# KiCad board fs_resistor_0805_panel.kicad_pcb (continued)
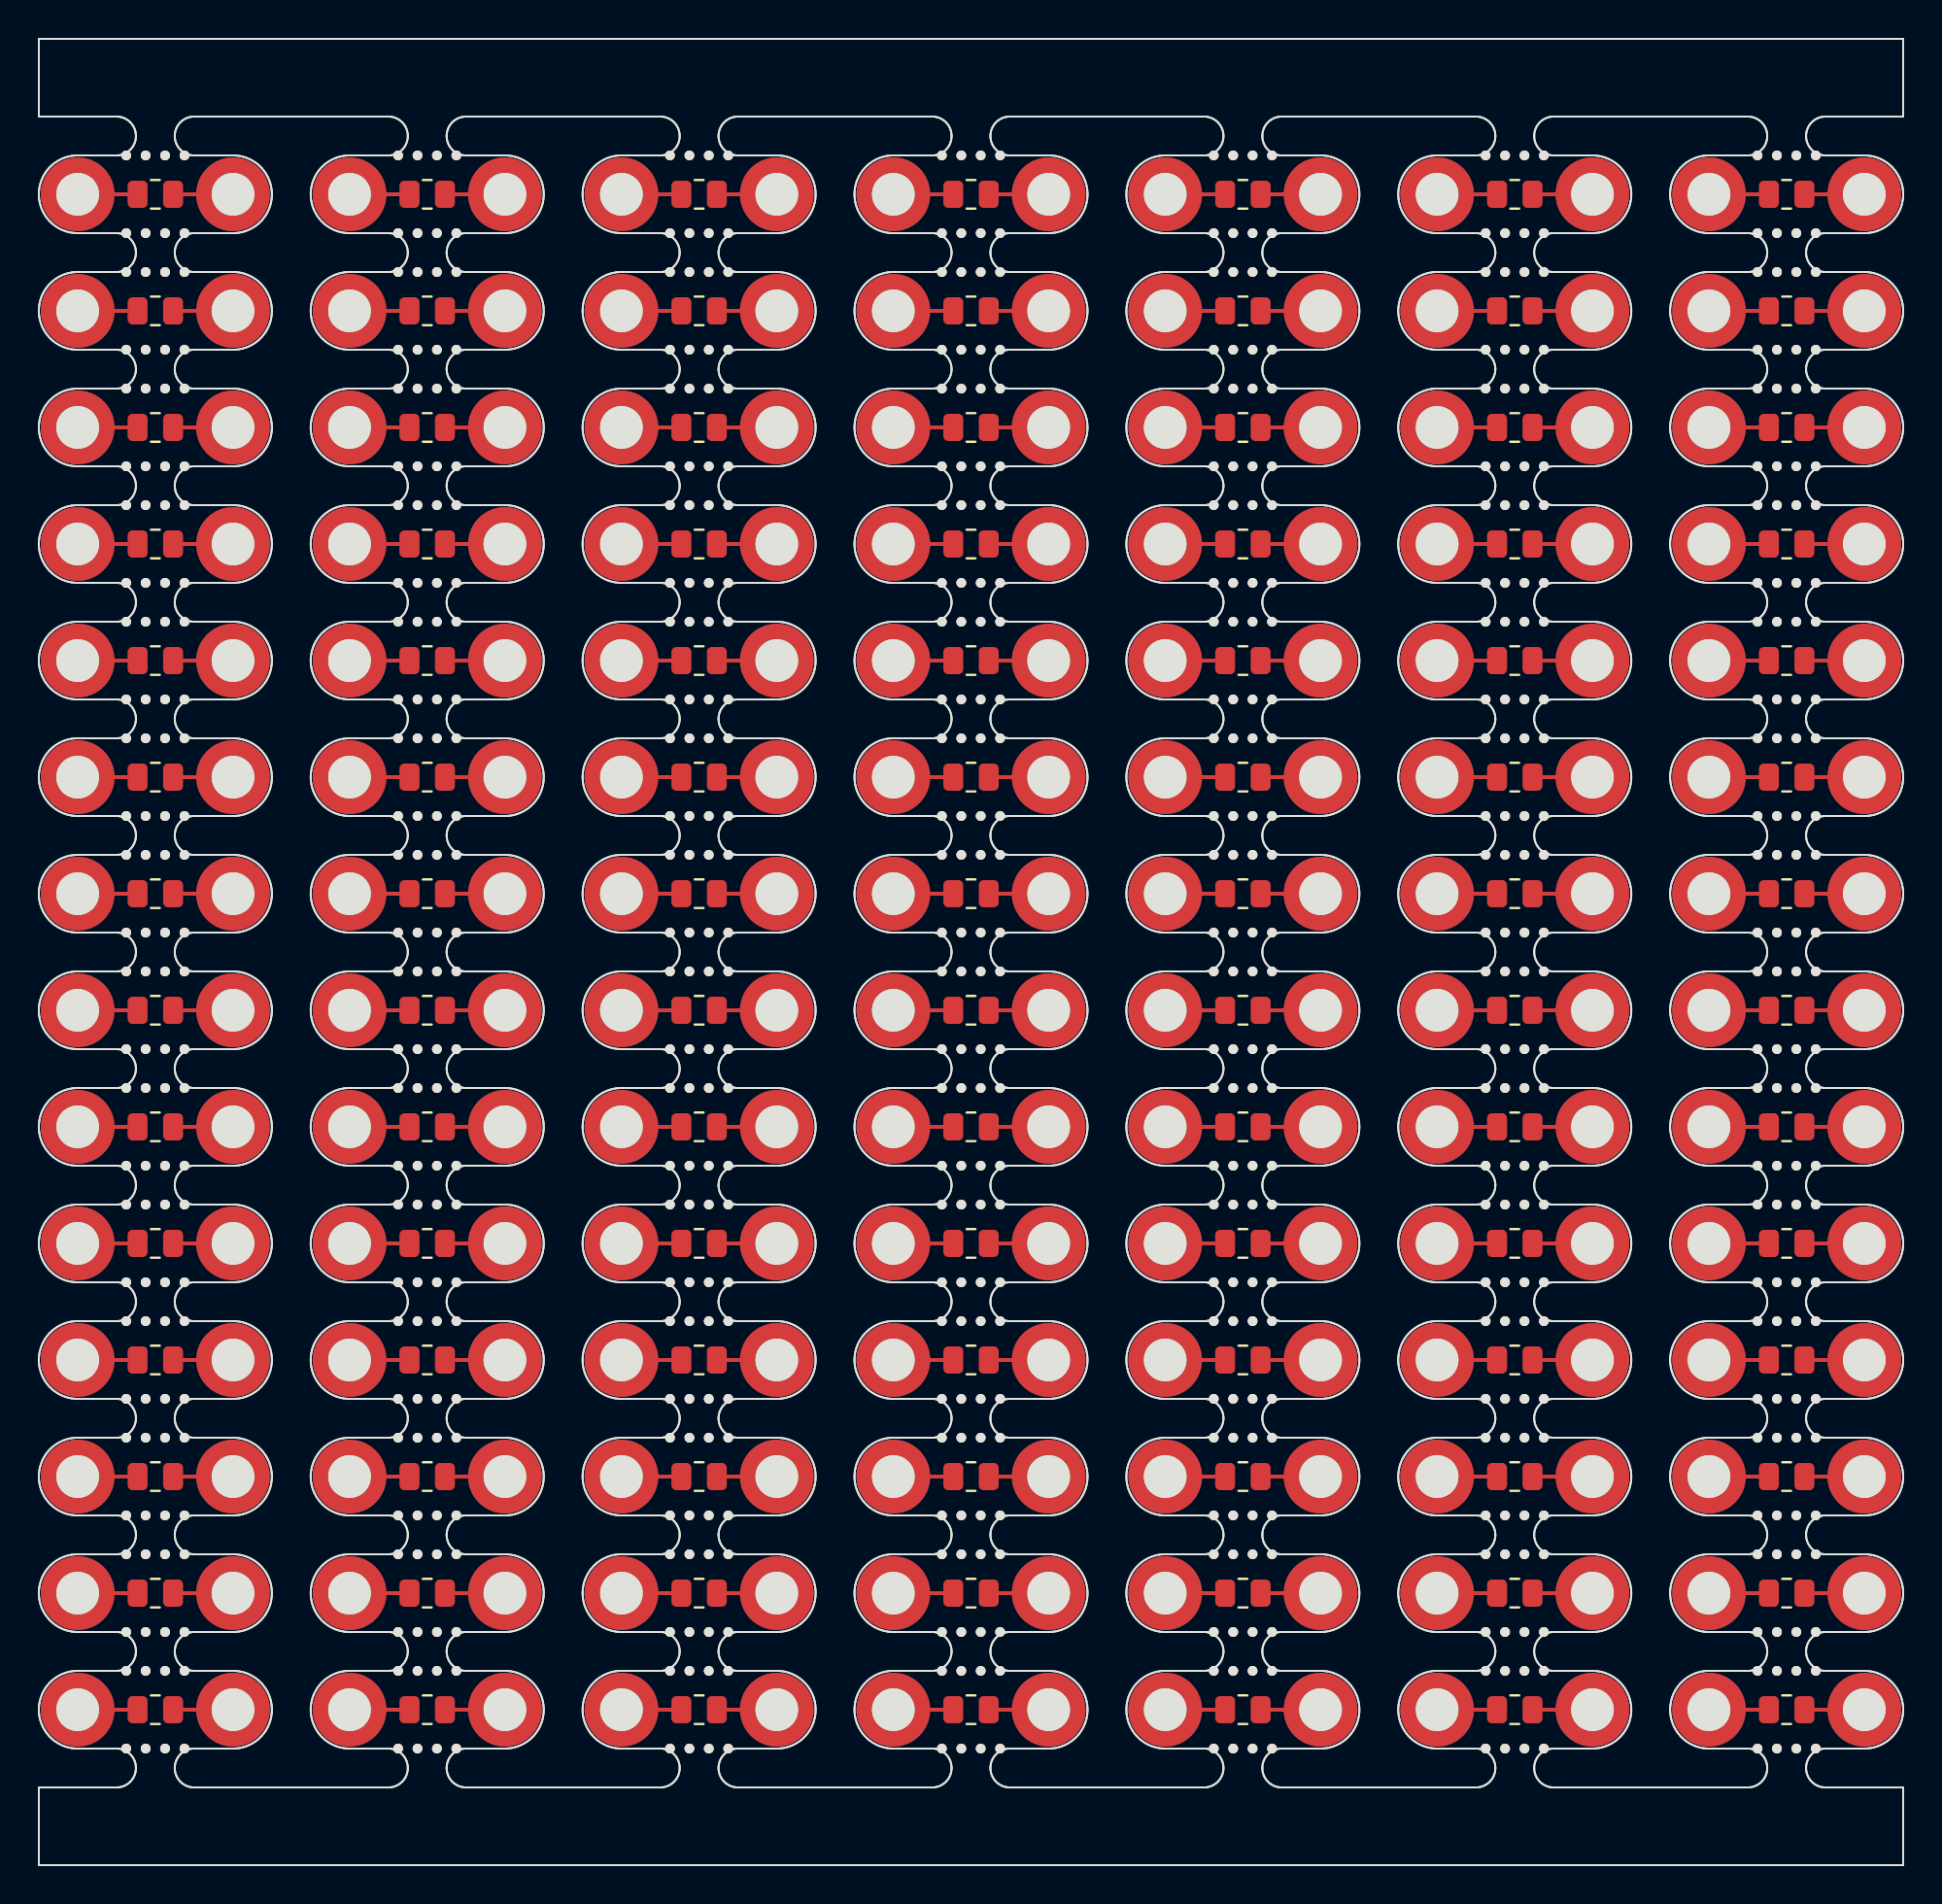
[diagram p0: board, top side]
## Placement (name value [footprint] x y rotation side) (continued)
KiKit_MB_26_1  -  [NPTH]  77.5 78 0 top
KiKit_MB_26_2  -  [NPTH]  76.5 78 0 top
KiKit_MB_26_3  -  [NPTH]  75.5 78 0 top
KiKit_MB_26_4  -  [NPTH]  74.5 78 0 top
KiKit_MB_27_1  -  [NPTH]  88.5 82 0 top
KiKit_MB_27_2  -  [NPTH]  89.5 82 0 top
KiKit_MB_27_3  -  [NPTH]  90.5 82 0 top
KiKit_MB_27_4  -  [NPTH]  91.5 82 0 top
KiKit_MB_28_1  -  [NPTH]  91.5 78 0 top
KiKit_MB_28_2  -  [NPTH]  90.5 78 0 top
KiKit_MB_28_3  -  [NPTH]  89.5 78 0 top
KiKit_MB_28_4  -  [NPTH]  88.5 78 0 top
KiKit_MB_29_1  -  [NPTH]  4.5 76 0 top
KiKit_MB_29_2  -  [NPTH]  5.5 76 0 top
KiKit_MB_29_3  -  [NPTH]  6.5 76 0 top
KiKit_MB_29_4  -  [NPTH]  7.5 76 0 top
KiKit_MB_30_1  -  [NPTH]  7.5 72 0 top
KiKit_MB_30_2  -  [NPTH]  6.5 72 0 top
KiKit_MB_30_3  -  [NPTH]  5.5 72 0 top
KiKit_MB_30_4  -  [NPTH]  4.5 72 0 top
KiKit_MB_31_1  -  [NPTH]  18.5 76 0 top
KiKit_MB_31_2  -  [NPTH]  19.5 76 0 top
KiKit_MB_31_3  -  [NPTH]  20.5 76 0 top
KiKit_MB_31_4  -  [NPTH]  21.5 76 0 top
KiKit_MB_32_1  -  [NPTH]  21.5 72 0 top
KiKit_MB_32_2  -  [NPTH]  20.5 72 0 top
KiKit_MB_32_3  -  [NPTH]  19.5 72 0 top
KiKit_MB_32_4  -  [NPTH]  18.5 72 0 top
KiKit_MB_33_1  -  [NPTH]  32.5 76 0 top
KiKit_MB_33_2  -  [NPTH]  33.5 76 0 top
KiKit_MB_33_3  -  [NPTH]  34.5 76 0 top
KiKit_MB_33_4  -  [NPTH]  35.5 76 0 top
KiKit_MB_34_1  -  [NPTH]  35.5 72 0 top
KiKit_MB_34_2  -  [NPTH]  34.5 72 0 top
KiKit_MB_34_3  -  [NPTH]  33.5 72 0 top
KiKit_MB_34_4  -  [NPTH]  32.5 72 0 top
KiKit_MB_35_1  -  [NPTH]  46.5 76 0 top
KiKit_MB_35_2  -  [NPTH]  47.5 76 0 top
KiKit_MB_35_3  -  [NPTH]  48.5 76 0 top
KiKit_MB_35_4  -  [NPTH]  49.5 76 0 top
KiKit_MB_36_1  -  [NPTH]  49.5 72 0 top
KiKit_MB_36_2  -  [NPTH]  48.5 72 0 top
KiKit_MB_36_3  -  [NPTH]  47.5 72 0 top
KiKit_MB_36_4  -  [NPTH]  46.5 72 0 top
KiKit_MB_37_1  -  [NPTH]  60.5 76 0 top
KiKit_MB_37_2  -  [NPTH]  61.5 76 0 top
KiKit_MB_37_3  -  [NPTH]  62.5 76 0 top
KiKit_MB_37_4  -  [NPTH]  63.5 76 0 top
KiKit_MB_38_1  -  [NPTH]  63.5 72 0 top
KiKit_MB_38_2  -  [NPTH]  62.5 72 0 top
KiKit_MB_38_3  -  [NPTH]  61.5 72 0 top
KiKit_MB_38_4  -  [NPTH]  60.5 72 0 top
KiKit_MB_39_1  -  [NPTH]  74.5 76 0 top
KiKit_MB_39_2  -  [NPTH]  75.5 76 0 top
KiKit_MB_39_3  -  [NPTH]  76.5 76 0 top
KiKit_MB_39_4  -  [NPTH]  77.5 76 0 top
KiKit_MB_40_1  -  [NPTH]  77.5 72 0 top
KiKit_MB_40_2  -  [NPTH]  76.5 72 0 top
KiKit_MB_40_3  -  [NPTH]  75.5 72 0 top
KiKit_MB_40_4  -  [NPTH]  74.5 72 0 top
KiKit_MB_41_1  -  [NPTH]  88.5 76 0 top
KiKit_MB_41_2  -  [NPTH]  89.5 76 0 top
KiKit_MB_41_3  -  [NPTH]  90.5 76 0 top
KiKit_MB_41_4  -  [NPTH]  91.5 76 0 top
KiKit_MB_42_1  -  [NPTH]  91.5 72 0 top
KiKit_MB_42_2  -  [NPTH]  90.5 72 0 top
KiKit_MB_42_3  -  [NPTH]  89.5 72 0 top
KiKit_MB_42_4  -  [NPTH]  88.5 72 0 top
KiKit_MB_43_1  -  [NPTH]  4.5 70 0 top
KiKit_MB_43_2  -  [NPTH]  5.5 70 0 top
KiKit_MB_43_3  -  [NPTH]  6.5 70 0 top
KiKit_MB_43_4  -  [NPTH]  7.5 70 0 top
KiKit_MB_44_1  -  [NPTH]  7.5 66 0 top
KiKit_MB_44_2  -  [NPTH]  6.5 66 0 top
KiKit_MB_44_3  -  [NPTH]  5.5 66 0 top
KiKit_MB_44_4  -  [NPTH]  4.5 66 0 top
KiKit_MB_45_1  -  [NPTH]  18.5 70 0 top
KiKit_MB_45_2  -  [NPTH]  19.5 70 0 top
KiKit_MB_45_3  -  [NPTH]  20.5 70 0 top
KiKit_MB_45_4  -  [NPTH]  21.5 70 0 top
KiKit_MB_46_1  -  [NPTH]  21.5 66 0 top
KiKit_MB_46_2  -  [NPTH]  20.5 66 0 top
KiKit_MB_46_3  -  [NPTH]  19.5 66 0 top
KiKit_MB_46_4  -  [NPTH]  18.5 66 0 top
KiKit_MB_47_1  -  [NPTH]  32.5 70 0 top
KiKit_MB_47_2  -  [NPTH]  33.5 70 0 top
KiKit_MB_47_3  -  [NPTH]  34.5 70 0 top
KiKit_MB_47_4  -  [NPTH]  35.5 70 0 top
KiKit_MB_48_1  -  [NPTH]  35.5 66 0 top
KiKit_MB_48_2  -  [NPTH]  34.5 66 0 top
KiKit_MB_48_3  -  [NPTH]  33.5 66 0 top
KiKit_MB_48_4  -  [NPTH]  32.5 66 0 top
KiKit_MB_49_1  -  [NPTH]  46.5 70 0 top
KiKit_MB_49_2  -  [NPTH]  47.5 70 0 top
KiKit_MB_49_3  -  [NPTH]  48.5 70 0 top
KiKit_MB_49_4  -  [NPTH]  49.5 70 0 top
KiKit_MB_50_1  -  [NPTH]  49.5 66 0 top
KiKit_MB_50_2  -  [NPTH]  48.5 66 0 top
KiKit_MB_50_3  -  [NPTH]  47.5 66 0 top
KiKit_MB_50_4  -  [NPTH]  46.5 66 0 top
KiKit_MB_51_1  -  [NPTH]  60.5 70 0 top
KiKit_MB_51_2  -  [NPTH]  61.5 70 0 top
KiKit_MB_51_3  -  [NPTH]  62.5 70 0 top
KiKit_MB_51_4  -  [NPTH]  63.5 70 0 top
KiKit_MB_52_1  -  [NPTH]  63.5 66 0 top
KiKit_MB_52_2  -  [NPTH]  62.5 66 0 top
KiKit_MB_52_3  -  [NPTH]  61.5 66 0 top
KiKit_MB_52_4  -  [NPTH]  60.5 66 0 top
KiKit_MB_53_1  -  [NPTH]  74.5 70 0 top
KiKit_MB_53_2  -  [NPTH]  75.5 70 0 top
KiKit_MB_53_3  -  [NPTH]  76.5 70 0 top
KiKit_MB_53_4  -  [NPTH]  77.5 70 0 top
KiKit_MB_54_1  -  [NPTH]  77.5 66 0 top
KiKit_MB_54_2  -  [NPTH]  76.5 66 0 top
KiKit_MB_54_3  -  [NPTH]  75.5 66 0 top
KiKit_MB_54_4  -  [NPTH]  74.5 66 0 top
KiKit_MB_55_1  -  [NPTH]  88.5 70 0 top
KiKit_MB_55_2  -  [NPTH]  89.5 70 0 top
KiKit_MB_55_3  -  [NPTH]  90.5 70 0 top
KiKit_MB_55_4  -  [NPTH]  91.5 70 0 top
KiKit_MB_56_1  -  [NPTH]  91.5 66 0 top
KiKit_MB_56_2  -  [NPTH]  90.5 66 0 top
KiKit_MB_56_3  -  [NPTH]  89.5 66 0 top
KiKit_MB_56_4  -  [NPTH]  88.5 66 0 top
KiKit_MB_57_1  -  [NPTH]  4.5 64 0 top
KiKit_MB_57_2  -  [NPTH]  5.5 64 0 top
KiKit_MB_57_3  -  [NPTH]  6.5 64 0 top
KiKit_MB_57_4  -  [NPTH]  7.5 64 0 top
KiKit_MB_58_1  -  [NPTH]  7.5 60 0 top
KiKit_MB_58_2  -  [NPTH]  6.5 60 0 top
KiKit_MB_58_3  -  [NPTH]  5.5 60 0 top
KiKit_MB_58_4  -  [NPTH]  4.5 60 0 top
KiKit_MB_59_1  -  [NPTH]  18.5 64 0 top
KiKit_MB_59_2  -  [NPTH]  19.5 64 0 top
KiKit_MB_59_3  -  [NPTH]  20.5 64 0 top
KiKit_MB_59_4  -  [NPTH]  21.5 64 0 top
KiKit_MB_60_1  -  [NPTH]  21.5 60 0 top
KiKit_MB_60_2  -  [NPTH]  20.5 60 0 top
KiKit_MB_60_3  -  [NPTH]  19.5 60 0 top
KiKit_MB_60_4  -  [NPTH]  18.5 60 0 top
KiKit_MB_61_1  -  [NPTH]  32.5 64 0 top
KiKit_MB_61_2  -  [NPTH]  33.5 64 0 top
KiKit_MB_61_3  -  [NPTH]  34.5 64 0 top
KiKit_MB_61_4  -  [NPTH]  35.5 64 0 top
KiKit_MB_62_1  -  [NPTH]  35.5 60 0 top
KiKit_MB_62_2  -  [NPTH]  34.5 60 0 top
KiKit_MB_62_3  -  [NPTH]  33.5 60 0 top
KiKit_MB_62_4  -  [NPTH]  32.5 60 0 top
KiKit_MB_63_1  -  [NPTH]  46.5 64 0 top
KiKit_MB_63_2  -  [NPTH]  47.5 64 0 top
KiKit_MB_63_3  -  [NPTH]  48.5 64 0 top
KiKit_MB_63_4  -  [NPTH]  49.5 64 0 top
KiKit_MB_64_1  -  [NPTH]  49.5 60 0 top
KiKit_MB_64_2  -  [NPTH]  48.5 60 0 top
KiKit_MB_64_3  -  [NPTH]  47.5 60 0 top
KiKit_MB_64_4  -  [NPTH]  46.5 60 0 top
KiKit_MB_65_1  -  [NPTH]  60.5 64 0 top
KiKit_MB_65_2  -  [NPTH]  61.5 64 0 top
KiKit_MB_65_3  -  [NPTH]  62.5 64 0 top
KiKit_MB_65_4  -  [NPTH]  63.5 64 0 top
KiKit_MB_66_1  -  [NPTH]  63.5 60 0 top
KiKit_MB_66_2  -  [NPTH]  62.5 60 0 top
KiKit_MB_66_3  -  [NPTH]  61.5 60 0 top
KiKit_MB_66_4  -  [NPTH]  60.5 60 0 top
KiKit_MB_67_1  -  [NPTH]  74.5 64 0 top
KiKit_MB_67_2  -  [NPTH]  75.5 64 0 top
KiKit_MB_67_3  -  [NPTH]  76.5 64 0 top
KiKit_MB_67_4  -  [NPTH]  77.5 64 0 top
KiKit_MB_68_1  -  [NPTH]  77.5 60 0 top
KiKit_MB_68_2  -  [NPTH]  76.5 60 0 top
KiKit_MB_68_3  -  [NPTH]  75.5 60 0 top
KiKit_MB_68_4  -  [NPTH]  74.5 60 0 top
KiKit_MB_69_1  -  [NPTH]  88.5 64 0 top
KiKit_MB_69_2  -  [NPTH]  89.5 64 0 top
KiKit_MB_69_3  -  [NPTH]  90.5 64 0 top
KiKit_MB_69_4  -  [NPTH]  91.5 64 0 top
KiKit_MB_70_1  -  [NPTH]  91.5 60 0 top
KiKit_MB_70_2  -  [NPTH]  90.5 60 0 top
KiKit_MB_70_3  -  [NPTH]  89.5 60 0 top
KiKit_MB_70_4  -  [NPTH]  88.5 60 0 top
KiKit_MB_71_1  -  [NPTH]  4.5 58 0 top
KiKit_MB_71_2  -  [NPTH]  5.5 58 0 top
KiKit_MB_71_3  -  [NPTH]  6.5 58 0 top
KiKit_MB_71_4  -  [NPTH]  7.5 58 0 top
KiKit_MB_72_1  -  [NPTH]  7.5 54 0 top
KiKit_MB_72_2  -  [NPTH]  6.5 54 0 top
KiKit_MB_72_3  -  [NPTH]  5.5 54 0 top
KiKit_MB_72_4  -  [NPTH]  4.5 54 0 top
KiKit_MB_73_1  -  [NPTH]  18.5 58 0 top
KiKit_MB_73_2  -  [NPTH]  19.5 58 0 top
KiKit_MB_73_3  -  [NPTH]  20.5 58 0 top
KiKit_MB_73_4  -  [NPTH]  21.5 58 0 top
KiKit_MB_74_1  -  [NPTH]  21.5 54 0 top
KiKit_MB_74_2  -  [NPTH]  20.5 54 0 top
KiKit_MB_74_3  -  [NPTH]  19.5 54 0 top
KiKit_MB_74_4  -  [NPTH]  18.5 54 0 top
KiKit_MB_75_1  -  [NPTH]  32.5 58 0 top
KiKit_MB_75_2  -  [NPTH]  33.5 58 0 top
KiKit_MB_75_3  -  [NPTH]  34.5 58 0 top
KiKit_MB_75_4  -  [NPTH]  35.5 58 0 top
KiKit_MB_76_1  -  [NPTH]  35.5 54 0 top
KiKit_MB_76_2  -  [NPTH]  34.5 54 0 top
KiKit_MB_76_3  -  [NPTH]  33.5 54 0 top
KiKit_MB_76_4  -  [NPTH]  32.5 54 0 top
KiKit_MB_77_1  -  [NPTH]  46.5 58 0 top
KiKit_MB_77_2  -  [NPTH]  47.5 58 0 top
KiKit_MB_77_3  -  [NPTH]  48.5 58 0 top
KiKit_MB_77_4  -  [NPTH]  49.5 58 0 top
KiKit_MB_78_1  -  [NPTH]  49.5 54 0 top
KiKit_MB_78_2  -  [NPTH]  48.5 54 0 top
KiKit_MB_78_3  -  [NPTH]  47.5 54 0 top
KiKit_MB_78_4  -  [NPTH]  46.5 54 0 top
KiKit_MB_79_1  -  [NPTH]  60.5 58 0 top
KiKit_MB_79_2  -  [NPTH]  61.5 58 0 top
KiKit_MB_79_3  -  [NPTH]  62.5 58 0 top
KiKit_MB_79_4  -  [NPTH]  63.5 58 0 top
KiKit_MB_80_1  -  [NPTH]  63.5 54 0 top
KiKit_MB_80_2  -  [NPTH]  62.5 54 0 top
KiKit_MB_80_3  -  [NPTH]  61.5 54 0 top
KiKit_MB_80_4  -  [NPTH]  60.5 54 0 top
KiKit_MB_81_1  -  [NPTH]  74.5 58 0 top
KiKit_MB_81_2  -  [NPTH]  75.5 58 0 top
KiKit_MB_81_3  -  [NPTH]  76.5 58 0 top
KiKit_MB_81_4  -  [NPTH]  77.5 58 0 top
KiKit_MB_82_1  -  [NPTH]  77.5 54 0 top
KiKit_MB_82_2  -  [NPTH]  76.5 54 0 top
KiKit_MB_82_3  -  [NPTH]  75.5 54 0 top
KiKit_MB_82_4  -  [NPTH]  74.5 54 0 top
KiKit_MB_83_1  -  [NPTH]  88.5 58 0 top
KiKit_MB_83_2  -  [NPTH]  89.5 58 0 top
KiKit_MB_83_3  -  [NPTH]  90.5 58 0 top
KiKit_MB_83_4  -  [NPTH]  91.5 58 0 top
KiKit_MB_84_1  -  [NPTH]  91.5 54 0 top
KiKit_MB_84_2  -  [NPTH]  90.5 54 0 top
KiKit_MB_84_3  -  [NPTH]  89.5 54 0 top
KiKit_MB_84_4  -  [NPTH]  88.5 54 0 top
KiKit_MB_85_1  -  [NPTH]  4.5 52 0 top
KiKit_MB_85_2  -  [NPTH]  5.5 52 0 top
KiKit_MB_85_3  -  [NPTH]  6.5 52 0 top
KiKit_MB_85_4  -  [NPTH]  7.5 52 0 top
KiKit_MB_86_1  -  [NPTH]  7.5 48 0 top
KiKit_MB_86_2  -  [NPTH]  6.5 48 0 top
KiKit_MB_86_3  -  [NPTH]  5.5 48 0 top
KiKit_MB_86_4  -  [NPTH]  4.5 48 0 top
KiKit_MB_87_1  -  [NPTH]  18.5 52 0 top
KiKit_MB_87_2  -  [NPTH]  19.5 52 0 top
KiKit_MB_87_3  -  [NPTH]  20.5 52 0 top
KiKit_MB_87_4  -  [NPTH]  21.5 52 0 top
KiKit_MB_88_1  -  [NPTH]  21.5 48 0 top
KiKit_MB_88_2  -  [NPTH]  20.5 48 0 top
KiKit_MB_88_3  -  [NPTH]  19.5 48 0 top
KiKit_MB_88_4  -  [NPTH]  18.5 48 0 top
KiKit_MB_89_1  -  [NPTH]  32.5 52 0 top
KiKit_MB_89_2  -  [NPTH]  33.5 52 0 top
KiKit_MB_89_3  -  [NPTH]  34.5 52 0 top
KiKit_MB_89_4  -  [NPTH]  35.5 52 0 top
KiKit_MB_90_1  -  [NPTH]  35.5 48 0 top
KiKit_MB_90_2  -  [NPTH]  34.5 48 0 top
KiKit_MB_90_3  -  [NPTH]  33.5 48 0 top
KiKit_MB_90_4  -  [NPTH]  32.5 48 0 top
KiKit_MB_91_1  -  [NPTH]  46.5 52 0 top
KiKit_MB_91_2  -  [NPTH]  47.5 52 0 top
KiKit_MB_91_3  -  [NPTH]  48.5 52 0 top
KiKit_MB_91_4  -  [NPTH]  49.5 52 0 top
KiKit_MB_92_1  -  [NPTH]  49.5 48 0 top
KiKit_MB_92_2  -  [NPTH]  48.5 48 0 top
KiKit_MB_92_3  -  [NPTH]  47.5 48 0 top
KiKit_MB_92_4  -  [NPTH]  46.5 48 0 top
KiKit_MB_93_1  -  [NPTH]  60.5 52 0 top
KiKit_MB_93_2  -  [NPTH]  61.5 52 0 top
KiKit_MB_93_3  -  [NPTH]  62.5 52 0 top
KiKit_MB_93_4  -  [NPTH]  63.5 52 0 top
KiKit_MB_94_1  -  [NPTH]  63.5 48 0 top
KiKit_MB_94_2  -  [NPTH]  62.5 48 0 top
KiKit_MB_94_3  -  [NPTH]  61.5 48 0 top
KiKit_MB_94_4  -  [NPTH]  60.5 48 0 top
KiKit_MB_95_1  -  [NPTH]  74.5 52 0 top
KiKit_MB_95_2  -  [NPTH]  75.5 52 0 top
KiKit_MB_95_3  -  [NPTH]  76.5 52 0 top
KiKit_MB_95_4  -  [NPTH]  77.5 52 0 top
KiKit_MB_96_1  -  [NPTH]  77.5 48 0 top
KiKit_MB_96_2  -  [NPTH]  76.5 48 0 top
KiKit_MB_96_3  -  [NPTH]  75.5 48 0 top
KiKit_MB_96_4  -  [NPTH]  74.5 48 0 top
KiKit_MB_97_1  -  [NPTH]  88.5 52 0 top
KiKit_MB_97_2  -  [NPTH]  89.5 52 0 top
KiKit_MB_97_3  -  [NPTH]  90.5 52 0 top
KiKit_MB_97_4  -  [NPTH]  91.5 52 0 top
KiKit_MB_98_1  -  [NPTH]  91.5 48 0 top
KiKit_MB_98_2  -  [NPTH]  90.5 48 0 top
KiKit_MB_98_3  -  [NPTH]  89.5 48 0 top
KiKit_MB_98_4  -  [NPTH]  88.5 48 0 top
KiKit_MB_99_1  -  [NPTH]  4.5 46 0 top
KiKit_MB_99_2  -  [NPTH]  5.5 46 0 top
KiKit_MB_99_3  -  [NPTH]  6.5 46 0 top
KiKit_MB_99_4  -  [NPTH]  7.5 46 0 top
KiKit_MB_100_1  -  [NPTH]  7.5 42 0 top
KiKit_MB_100_2  -  [NPTH]  6.5 42 0 top
KiKit_MB_100_3  -  [NPTH]  5.5 42 0 top
KiKit_MB_100_4  -  [NPTH]  4.5 42 0 top
KiKit_MB_101_1  -  [NPTH]  18.5 46 0 top
KiKit_MB_101_2  -  [NPTH]  19.5 46 0 top
KiKit_MB_101_3  -  [NPTH]  20.5 46 0 top
KiKit_MB_101_4  -  [NPTH]  21.5 46 0 top
KiKit_MB_102_1  -  [NPTH]  21.5 42 0 top
KiKit_MB_102_2  -  [NPTH]  20.5 42 0 top
KiKit_MB_102_3  -  [NPTH]  19.5 42 0 top
KiKit_MB_102_4  -  [NPTH]  18.5 42 0 top
KiKit_MB_103_1  -  [NPTH]  32.5 46 0 top
KiKit_MB_103_2  -  [NPTH]  33.5 46 0 top
KiKit_MB_103_3  -  [NPTH]  34.5 46 0 top
KiKit_MB_103_4  -  [NPTH]  35.5 46 0 top
KiKit_MB_104_1  -  [NPTH]  35.5 42 0 top
KiKit_MB_104_2  -  [NPTH]  34.5 42 0 top
KiKit_MB_104_3  -  [NPTH]  33.5 42 0 top
KiKit_MB_104_4  -  [NPTH]  32.5 42 0 top
KiKit_MB_105_1  -  [NPTH]  46.5 46 0 top
KiKit_MB_105_2  -  [NPTH]  47.5 46 0 top
KiKit_MB_105_3  -  [NPTH]  48.5 46 0 top
KiKit_MB_105_4  -  [NPTH]  49.5 46 0 top
KiKit_MB_106_1  -  [NPTH]  49.5 42 0 top
KiKit_MB_106_2  -  [NPTH]  48.5 42 0 top
KiKit_MB_106_3  -  [NPTH]  47.5 42 0 top
KiKit_MB_106_4  -  [NPTH]  46.5 42 0 top
KiKit_MB_107_1  -  [NPTH]  60.5 46 0 top
KiKit_MB_107_2  -  [NPTH]  61.5 46 0 top
KiKit_MB_107_3  -  [NPTH]  62.5 46 0 top
KiKit_MB_107_4  -  [NPTH]  63.5 46 0 top
KiKit_MB_108_1  -  [NPTH]  63.5 42 0 top
KiKit_MB_108_2  -  [NPTH]  62.5 42 0 top
KiKit_MB_108_3  -  [NPTH]  61.5 42 0 top
KiKit_MB_108_4  -  [NPTH]  60.5 42 0 top
KiKit_MB_109_1  -  [NPTH]  74.5 46 0 top
KiKit_MB_109_2  -  [NPTH]  75.5 46 0 top
KiKit_MB_109_3  -  [NPTH]  76.5 46 0 top
KiKit_MB_109_4  -  [NPTH]  77.5 46 0 top
KiKit_MB_110_1  -  [NPTH]  77.5 42 0 top
KiKit_MB_110_2  -  [NPTH]  76.5 42 0 top
KiKit_MB_110_3  -  [NPTH]  75.5 42 0 top
KiKit_MB_110_4  -  [NPTH]  74.5 42 0 top
KiKit_MB_111_1  -  [NPTH]  88.5 46 0 top
KiKit_MB_111_2  -  [NPTH]  89.5 46 0 top
KiKit_MB_111_3  -  [NPTH]  90.5 46 0 top
KiKit_MB_111_4  -  [NPTH]  91.5 46 0 top
KiKit_MB_112_1  -  [NPTH]  91.5 42 0 top
KiKit_MB_112_2  -  [NPTH]  90.5 42 0 top
KiKit_MB_112_3  -  [NPTH]  89.5 42 0 top
KiKit_MB_112_4  -  [NPTH]  88.5 42 0 top
KiKit_MB_113_1  -  [NPTH]  4.5 40 0 top
KiKit_MB_113_2  -  [NPTH]  5.5 40 0 top
KiKit_MB_113_3  -  [NPTH]  6.5 40 0 top
KiKit_MB_113_4  -  [NPTH]  7.5 40 0 top
KiKit_MB_114_1  -  [NPTH]  7.5 36 0 top
KiKit_MB_114_2  -  [NPTH]  6.5 36 0 top
KiKit_MB_114_3  -  [NPTH]  5.5 36 0 top
KiKit_MB_114_4  -  [NPTH]  4.5 36 0 top
KiKit_MB_115_1  -  [NPTH]  18.5 40 0 top
KiKit_MB_115_2  -  [NPTH]  19.5 40 0 top
KiKit_MB_115_3  -  [NPTH]  20.5 40 0 top
KiKit_MB_115_4  -  [NPTH]  21.5 40 0 top
KiKit_MB_116_1  -  [NPTH]  21.5 36 0 top
KiKit_MB_116_2  -  [NPTH]  20.5 36 0 top
KiKit_MB_116_3  -  [NPTH]  19.5 36 0 top
KiKit_MB_116_4  -  [NPTH]  18.5 36 0 top
KiKit_MB_117_1  -  [NPTH]  32.5 40 0 top
KiKit_MB_117_2  -  [NPTH]  33.5 40 0 top
KiKit_MB_117_3  -  [NPTH]  34.5 40 0 top
KiKit_MB_117_4  -  [NPTH]  35.5 40 0 top
KiKit_MB_118_1  -  [NPTH]  35.5 36 0 top
KiKit_MB_118_2  -  [NPTH]  34.5 36 0 top
KiKit_MB_118_3  -  [NPTH]  33.5 36 0 top
KiKit_MB_118_4  -  [NPTH]  32.5 36 0 top
KiKit_MB_119_1  -  [NPTH]  46.5 40 0 top
KiKit_MB_119_2  -  [NPTH]  47.5 40 0 top
KiKit_MB_119_3  -  [NPTH]  48.5 40 0 top
KiKit_MB_119_4  -  [NPTH]  49.5 40 0 top
KiKit_MB_120_1  -  [NPTH]  49.5 36 0 top
KiKit_MB_120_2  -  [NPTH]  48.5 36 0 top
KiKit_MB_120_3  -  [NPTH]  47.5 36 0 top
KiKit_MB_120_4  -  [NPTH]  46.5 36 0 top
KiKit_MB_121_1  -  [NPTH]  60.5 40 0 top
KiKit_MB_121_2  -  [NPTH]  61.5 40 0 top
KiKit_MB_121_3  -  [NPTH]  62.5 40 0 top
KiKit_MB_121_4  -  [NPTH]  63.5 40 0 top
KiKit_MB_122_1  -  [NPTH]  63.5 36 0 top
KiKit_MB_122_2  -  [NPTH]  62.5 36 0 top
KiKit_MB_122_3  -  [NPTH]  61.5 36 0 top
KiKit_MB_122_4  -  [NPTH]  60.5 36 0 top
KiKit_MB_123_1  -  [NPTH]  74.5 40 0 top
KiKit_MB_123_2  -  [NPTH]  75.5 40 0 top
KiKit_MB_123_3  -  [NPTH]  76.5 40 0 top
KiKit_MB_123_4  -  [NPTH]  77.5 40 0 top
KiKit_MB_124_1  -  [NPTH]  77.5 36 0 top
KiKit_MB_124_2  -  [NPTH]  76.5 36 0 top
KiKit_MB_124_3  -  [NPTH]  75.5 36 0 top
KiKit_MB_124_4  -  [NPTH]  74.5 36 0 top
KiKit_MB_125_1  -  [NPTH]  88.5 40 0 top
KiKit_MB_125_2  -  [NPTH]  89.5 40 0 top
KiKit_MB_125_3  -  [NPTH]  90.5 40 0 top
KiKit_MB_125_4  -  [NPTH]  91.5 40 0 top
KiKit_MB_126_1  -  [NPTH]  91.5 36 0 top
KiKit_MB_126_2  -  [NPTH]  90.5 36 0 top
KiKit_MB_126_3  -  [NPTH]  89.5 36 0 top
KiKit_MB_126_4  -  [NPTH]  88.5 36 0 top
KiKit_MB_127_1  -  [NPTH]  4.5 34 0 top
KiKit_MB_127_2  -  [NPTH]  5.5 34 0 top
KiKit_MB_127_3  -  [NPTH]  6.5 34 0 top
KiKit_MB_127_4  -  [NPTH]  7.5 34 0 top
KiKit_MB_128_1  -  [NPTH]  7.5 30 0 top
KiKit_MB_128_2  -  [NPTH]  6.5 30 0 top
KiKit_MB_128_3  -  [NPTH]  5.5 30 0 top
KiKit_MB_128_4  -  [NPTH]  4.5 30 0 top
KiKit_MB_129_1  -  [NPTH]  18.5 34 0 top
KiKit_MB_129_2  -  [NPTH]  19.5 34 0 top
KiKit_MB_129_3  -  [NPTH]  20.5 34 0 top
KiKit_MB_129_4  -  [NPTH]  21.5 34 0 top
KiKit_MB_130_1  -  [NPTH]  21.5 30 0 top
KiKit_MB_130_2  -  [NPTH]  20.5 30 0 top
KiKit_MB_130_3  -  [NPTH]  19.5 30 0 top
KiKit_MB_130_4  -  [NPTH]  18.5 30 0 top
KiKit_MB_131_1  -  [NPTH]  32.5 34 0 top
KiKit_MB_131_2  -  [NPTH]  33.5 34 0 top
KiKit_MB_131_3  -  [NPTH]  34.5 34 0 top
KiKit_MB_131_4  -  [NPTH]  35.5 34 0 top
KiKit_MB_132_1  -  [NPTH]  35.5 30 0 top
KiKit_MB_132_2  -  [NPTH]  34.5 30 0 top
KiKit_MB_132_3  -  [NPTH]  33.5 30 0 top
KiKit_MB_132_4  -  [NPTH]  32.5 30 0 top
KiKit_MB_133_1  -  [NPTH]  46.5 34 0 top
KiKit_MB_133_2  -  [NPTH]  47.5 34 0 top
KiKit_MB_133_3  -  [NPTH]  48.5 34 0 top
KiKit_MB_133_4  -  [NPTH]  49.5 34 0 top
KiKit_MB_134_1  -  [NPTH]  49.5 30 0 top
KiKit_MB_134_2  -  [NPTH]  48.5 30 0 top
KiKit_MB_134_3  -  [NPTH]  47.5 30 0 top
KiKit_MB_134_4  -  [NPTH]  46.5 30 0 top
KiKit_MB_135_1  -  [NPTH]  60.5 34 0 top
KiKit_MB_135_2  -  [NPTH]  61.5 34 0 top
KiKit_MB_135_3  -  [NPTH]  62.5 34 0 top
KiKit_MB_135_4  -  [NPTH]  63.5 34 0 top
KiKit_MB_136_1  -  [NPTH]  63.5 30 0 top
KiKit_MB_136_2  -  [NPTH]  62.5 30 0 top
KiKit_MB_136_3  -  [NPTH]  61.5 30 0 top
KiKit_MB_136_4  -  [NPTH]  60.5 30 0 top
KiKit_MB_137_1  -  [NPTH]  74.5 34 0 top
KiKit_MB_137_2  -  [NPTH]  75.5 34 0 top
KiKit_MB_137_3  -  [NPTH]  76.5 34 0 top
KiKit_MB_137_4  -  [NPTH]  77.5 34 0 top
KiKit_MB_138_1  -  [NPTH]  77.5 30 0 top
KiKit_MB_138_2  -  [NPTH]  76.5 30 0 top
KiKit_MB_138_3  -  [NPTH]  75.5 30 0 top
KiKit_MB_138_4  -  [NPTH]  74.5 30 0 top
KiKit_MB_139_1  -  [NPTH]  88.5 34 0 top
KiKit_MB_139_2  -  [NPTH]  89.5 34 0 top
KiKit_MB_139_3  -  [NPTH]  90.5 34 0 top
KiKit_MB_139_4  -  [NPTH]  91.5 34 0 top
KiKit_MB_140_1  -  [NPTH]  91.5 30 0 top
KiKit_MB_140_2  -  [NPTH]  90.5 30 0 top
KiKit_MB_140_3  -  [NPTH]  89.5 30 0 top
KiKit_MB_140_4  -  [NPTH]  88.5 30 0 top
KiKit_MB_141_1  -  [NPTH]  4.5 28 0 top
KiKit_MB_141_2  -  [NPTH]  5.5 28 0 top
KiKit_MB_141_3  -  [NPTH]  6.5 28 0 top
KiKit_MB_141_4  -  [NPTH]  7.5 28 0 top
KiKit_MB_142_1  -  [NPTH]  7.5 24 0 top
KiKit_MB_142_2  -  [NPTH]  6.5 24 0 top
KiKit_MB_142_3  -  [NPTH]  5.5 24 0 top
KiKit_MB_142_4  -  [NPTH]  4.5 24 0 top
KiKit_MB_143_1  -  [NPTH]  18.5 28 0 top
KiKit_MB_143_2  -  [NPTH]  19.5 28 0 top
KiKit_MB_143_3  -  [NPTH]  20.5 28 0 top
KiKit_MB_143_4  -  [NPTH]  21.5 28 0 top
KiKit_MB_144_1  -  [NPTH]  21.5 24 0 top
KiKit_MB_144_2  -  [NPTH]  20.5 24 0 top
KiKit_MB_144_3  -  [NPTH]  19.5 24 0 top
KiKit_MB_144_4  -  [NPTH]  18.5 24 0 top
KiKit_MB_145_1  -  [NPTH]  32.5 28 0 top
KiKit_MB_145_2  -  [NPTH]  33.5 28 0 top
KiKit_MB_145_3  -  [NPTH]  34.5 28 0 top
KiKit_MB_145_4  -  [NPTH]  35.5 28 0 top
KiKit_MB_146_1  -  [NPTH]  35.5 24 0 top
KiKit_MB_146_2  -  [NPTH]  34.5 24 0 top
KiKit_MB_146_3  -  [NPTH]  33.5 24 0 top
KiKit_MB_146_4  -  [NPTH]  32.5 24 0 top
KiKit_MB_147_1  -  [NPTH]  46.5 28 0 top
KiKit_MB_147_2  -  [NPTH]  47.5 28 0 top
KiKit_MB_147_3  -  [NPTH]  48.5 28 0 top
KiKit_MB_147_4  -  [NPTH]  49.5 28 0 top
KiKit_MB_148_1  -  [NPTH]  49.5 24 0 top
KiKit_MB_148_2  -  [NPTH]  48.5 24 0 top
KiKit_MB_148_3  -  [NPTH]  47.5 24 0 top
KiKit_MB_148_4  -  [NPTH]  46.5 24 0 top
KiKit_MB_149_1  -  [NPTH]  60.5 28 0 top
KiKit_MB_149_2  -  [NPTH]  61.5 28 0 top
KiKit_MB_149_3  -  [NPTH]  62.5 28 0 top
KiKit_MB_149_4  -  [NPTH]  63.5 28 0 top
KiKit_MB_150_1  -  [NPTH]  63.5 24 0 top
KiKit_MB_150_2  -  [NPTH]  62.5 24 0 top
KiKit_MB_150_3  -  [NPTH]  61.5 24 0 top
KiKit_MB_150_4  -  [NPTH]  60.5 24 0 top
KiKit_MB_151_1  -  [NPTH]  74.5 28 0 top
KiKit_MB_151_2  -  [NPTH]  75.5 28 0 top
KiKit_MB_151_3  -  [NPTH]  76.5 28 0 top
KiKit_MB_151_4  -  [NPTH]  77.5 28 0 top
KiKit_MB_152_1  -  [NPTH]  77.5 24 0 top
KiKit_MB_152_2  -  [NPTH]  76.5 24 0 top
KiKit_MB_152_3  -  [NPTH]  75.5 24 0 top
KiKit_MB_152_4  -  [NPTH]  74.5 24 0 top
KiKit_MB_153_1  -  [NPTH]  88.5 28 0 top
KiKit_MB_153_2  -  [NPTH]  89.5 28 0 top
KiKit_MB_153_3  -  [NPTH]  90.5 28 0 top
KiKit_MB_153_4  -  [NPTH]  91.5 28 0 top
KiKit_MB_154_1  -  [NPTH]  91.5 24 0 top
KiKit_MB_154_2  -  [NPTH]  90.5 24 0 top
KiKit_MB_154_3  -  [NPTH]  89.5 24 0 top
KiKit_MB_154_4  -  [NPTH]  88.5 24 0 top
KiKit_MB_155_1  -  [NPTH]  4.5 22 0 top
KiKit_MB_155_2  -  [NPTH]  5.5 22 0 top
KiKit_MB_155_3  -  [NPTH]  6.5 22 0 top
KiKit_MB_155_4  -  [NPTH]  7.5 22 0 top
KiKit_MB_156_1  -  [NPTH]  7.5 18 0 top
KiKit_MB_156_2  -  [NPTH]  6.5 18 0 top
KiKit_MB_156_3  -  [NPTH]  5.5 18 0 top
KiKit_MB_156_4  -  [NPTH]  4.5 18 0 top
KiKit_MB_157_1  -  [NPTH]  18.5 22 0 top
KiKit_MB_157_2  -  [NPTH]  19.5 22 0 top
KiKit_MB_157_3  -  [NPTH]  20.5 22 0 top
KiKit_MB_157_4  -  [NPTH]  21.5 22 0 top
KiKit_MB_158_1  -  [NPTH]  21.5 18 0 top
KiKit_MB_158_2  -  [NPTH]  20.5 18 0 top
KiKit_MB_158_3  -  [NPTH]  19.5 18 0 top
KiKit_MB_158_4  -  [NPTH]  18.5 18 0 top
KiKit_MB_159_1  -  [NPTH]  32.5 22 0 top
KiKit_MB_159_2  -  [NPTH]  33.5 22 0 top
KiKit_MB_159_3  -  [NPTH]  34.5 22 0 top
KiKit_MB_159_4  -  [NPTH]  35.5 22 0 top
KiKit_MB_160_1  -  [NPTH]  35.5 18 0 top
KiKit_MB_160_2  -  [NPTH]  34.5 18 0 top
KiKit_MB_160_3  -  [NPTH]  33.5 18 0 top
KiKit_MB_160_4  -  [NPTH]  32.5 18 0 top
KiKit_MB_161_1  -  [NPTH]  46.5 22 0 top
KiKit_MB_161_2  -  [NPTH]  47.5 22 0 top
KiKit_MB_161_3  -  [NPTH]  48.5 22 0 top
KiKit_MB_161_4  -  [NPTH]  49.5 22 0 top
KiKit_MB_162_1  -  [NPTH]  49.5 18 0 top
KiKit_MB_162_2  -  [NPTH]  48.5 18 0 top
KiKit_MB_162_3  -  [NPTH]  47.5 18 0 top
KiKit_MB_162_4  -  [NPTH]  46.5 18 0 top
KiKit_MB_163_1  -  [NPTH]  60.5 22 0 top
KiKit_MB_163_2  -  [NPTH]  61.5 22 0 top
KiKit_MB_163_3  -  [NPTH]  62.5 22 0 top
KiKit_MB_163_4  -  [NPTH]  63.5 22 0 top
KiKit_MB_164_1  -  [NPTH]  63.5 18 0 top
KiKit_MB_164_2  -  [NPTH]  62.5 18 0 top
KiKit_MB_164_3  -  [NPTH]  61.5 18 0 top
KiKit_MB_164_4  -  [NPTH]  60.5 18 0 top
KiKit_MB_165_1  -  [NPTH]  74.5 22 0 top
KiKit_MB_165_2  -  [NPTH]  75.5 22 0 top
KiKit_MB_165_3  -  [NPTH]  76.5 22 0 top
KiKit_MB_165_4  -  [NPTH]  77.5 22 0 top
KiKit_MB_166_1  -  [NPTH]  77.5 18 0 top
KiKit_MB_166_2  -  [NPTH]  76.5 18 0 top
KiKit_MB_166_3  -  [NPTH]  75.5 18 0 top
KiKit_MB_166_4  -  [NPTH]  74.5 18 0 top
KiKit_MB_167_1  -  [NPTH]  88.5 22 0 top
KiKit_MB_167_2  -  [NPTH]  89.5 22 0 top
KiKit_MB_167_3  -  [NPTH]  90.5 22 0 top
KiKit_MB_167_4  -  [NPTH]  91.5 22 0 top
KiKit_MB_168_1  -  [NPTH]  91.5 18 0 top
KiKit_MB_168_2  -  [NPTH]  90.5 18 0 top
KiKit_MB_168_3  -  [NPTH]  89.5 18 0 top
KiKit_MB_168_4  -  [NPTH]  88.5 18 0 top
KiKit_MB_169_1  -  [NPTH]  4.5 16 0 top
KiKit_MB_169_2  -  [NPTH]  5.5 16 0 top
KiKit_MB_169_3  -  [NPTH]  6.5 16 0 top
KiKit_MB_169_4  -  [NPTH]  7.5 16 0 top
KiKit_MB_170_1  -  [NPTH]  7.5 12 0 top
KiKit_MB_170_2  -  [NPTH]  6.5 12 0 top
KiKit_MB_170_3  -  [NPTH]  5.5 12 0 top
KiKit_MB_170_4  -  [NPTH]  4.5 12 0 top
KiKit_MB_171_1  -  [NPTH]  18.5 16 0 top
KiKit_MB_171_2  -  [NPTH]  19.5 16 0 top
KiKit_MB_171_3  -  [NPTH]  20.5 16 0 top
KiKit_MB_171_4  -  [NPTH]  21.5 16 0 top
KiKit_MB_172_1  -  [NPTH]  21.5 12 0 top
KiKit_MB_172_2  -  [NPTH]  20.5 12 0 top
KiKit_MB_172_3  -  [NPTH]  19.5 12 0 top
KiKit_MB_172_4  -  [NPTH]  18.5 12 0 top
KiKit_MB_173_1  -  [NPTH]  32.5 16 0 top
KiKit_MB_173_2  -  [NPTH]  33.5 16 0 top
KiKit_MB_173_3  -  [NPTH]  34.5 16 0 top
KiKit_MB_173_4  -  [NPTH]  35.5 16 0 top
KiKit_MB_174_1  -  [NPTH]  35.5 12 0 top
KiKit_MB_174_2  -  [NPTH]  34.5 12 0 top
KiKit_MB_174_3  -  [NPTH]  33.5 12 0 top
KiKit_MB_174_4  -  [NPTH]  32.5 12 0 top
KiKit_MB_175_1  -  [NPTH]  46.5 16 0 top
KiKit_MB_175_2  -  [NPTH]  47.5 16 0 top
KiKit_MB_175_3  -  [NPTH]  48.5 16 0 top
KiKit_MB_175_4  -  [NPTH]  49.5 16 0 top
KiKit_MB_176_1  -  [NPTH]  49.5 12 0 top
KiKit_MB_176_2  -  [NPTH]  48.5 12 0 top
KiKit_MB_176_3  -  [NPTH]  47.5 12 0 top
KiKit_MB_176_4  -  [NPTH]  46.5 12 0 top
KiKit_MB_177_1  -  [NPTH]  60.5 16 0 top
KiKit_MB_177_2  -  [NPTH]  61.5 16 0 top
KiKit_MB_177_3  -  [NPTH]  62.5 16 0 top
KiKit_MB_177_4  -  [NPTH]  63.5 16 0 top
KiKit_MB_178_1  -  [NPTH]  63.5 12 0 top
KiKit_MB_178_2  -  [NPTH]  62.5 12 0 top
KiKit_MB_178_3  -  [NPTH]  61.5 12 0 top
KiKit_MB_178_4  -  [NPTH]  60.5 12 0 top
KiKit_MB_179_1  -  [NPTH]  74.5 16 0 top
KiKit_MB_179_2  -  [NPTH]  75.5 16 0 top
KiKit_MB_179_3  -  [NPTH]  76.5 16 0 top
KiKit_MB_179_4  -  [NPTH]  77.5 16 0 top
KiKit_MB_180_1  -  [NPTH]  77.5 12 0 top
KiKit_MB_180_2  -  [NPTH]  76.5 12 0 top
KiKit_MB_180_3  -  [NPTH]  75.5 12 0 top
KiKit_MB_180_4  -  [NPTH]  74.5 12 0 top
KiKit_MB_181_1  -  [NPTH]  88.5 16 0 top
KiKit_MB_181_2  -  [NPTH]  89.5 16 0 top
KiKit_MB_181_3  -  [NPTH]  90.5 16 0 top
KiKit_MB_181_4  -  [NPTH]  91.5 16 0 top
KiKit_MB_182_1  -  [NPTH]  91.5 12 0 top
KiKit_MB_182_2  -  [NPTH]  90.5 12 0 top
KiKit_MB_182_3  -  [NPTH]  89.5 12 0 top
KiKit_MB_182_4  -  [NPTH]  88.5 12 0 top
KiKit_MB_183_1  -  [NPTH]  4.5 10 0 top
KiKit_MB_183_2  -  [NPTH]  5.5 10 0 top
KiKit_MB_183_3  -  [NPTH]  6.5 10 0 top
KiKit_MB_183_4  -  [NPTH]  7.5 10 0 top
KiKit_MB_184_1  -  [NPTH]  7.5 6 0 top
KiKit_MB_184_2  -  [NPTH]  6.5 6 0 top
KiKit_MB_184_3  -  [NPTH]  5.5 6 0 top
KiKit_MB_184_4  -  [NPTH]  4.5 6 0 top
KiKit_MB_185_1  -  [NPTH]  18.5 10 0 top
KiKit_MB_185_2  -  [NPTH]  19.5 10 0 top
KiKit_MB_185_3  -  [NPTH]  20.5 10 0 top
KiKit_MB_185_4  -  [NPTH]  21.5 10 0 top
KiKit_MB_186_1  -  [NPTH]  21.5 6 0 top
KiKit_MB_186_2  -  [NPTH]  20.5 6 0 top
KiKit_MB_186_3  -  [NPTH]  19.5 6 0 top
KiKit_MB_186_4  -  [NPTH]  18.5 6 0 top
KiKit_MB_187_1  -  [NPTH]  32.5 10 0 top
KiKit_MB_187_2  -  [NPTH]  33.5 10 0 top
KiKit_MB_187_3  -  [NPTH]  34.5 10 0 top
KiKit_MB_187_4  -  [NPTH]  35.5 10 0 top
KiKit_MB_188_1  -  [NPTH]  35.5 6 0 top
KiKit_MB_188_2  -  [NPTH]  34.5 6 0 top
KiKit_MB_188_3  -  [NPTH]  33.5 6 0 top
KiKit_MB_188_4  -  [NPTH]  32.5 6 0 top
KiKit_MB_189_1  -  [NPTH]  46.5 10 0 top
KiKit_MB_189_2  -  [NPTH]  47.5 10 0 top
KiKit_MB_189_3  -  [NPTH]  48.5 10 0 top
KiKit_MB_189_4  -  [NPTH]  49.5 10 0 top
KiKit_MB_190_1  -  [NPTH]  49.5 6 0 top
KiKit_MB_190_2  -  [NPTH]  48.5 6 0 top
KiKit_MB_190_3  -  [NPTH]  47.5 6 0 top
KiKit_MB_190_4  -  [NPTH]  46.5 6 0 top
KiKit_MB_191_1  -  [NPTH]  60.5 10 0 top
KiKit_MB_191_2  -  [NPTH]  61.5 10 0 top
KiKit_MB_191_3  -  [NPTH]  62.5 10 0 top
KiKit_MB_191_4  -  [NPTH]  63.5 10 0 top
KiKit_MB_192_1  -  [NPTH]  63.5 6 0 top
KiKit_MB_192_2  -  [NPTH]  62.5 6 0 top
KiKit_MB_192_3  -  [NPTH]  61.5 6 0 top
KiKit_MB_192_4  -  [NPTH]  60.5 6 0 top
KiKit_MB_193_1  -  [NPTH]  74.5 10 0 top
KiKit_MB_193_2  -  [NPTH]  75.5 10 0 top
KiKit_MB_193_3  -  [NPTH]  76.5 10 0 top
KiKit_MB_193_4  -  [NPTH]  77.5 10 0 top
KiKit_MB_194_1  -  [NPTH]  77.5 6 0 top
KiKit_MB_194_2  -  [NPTH]  76.5 6 0 top
KiKit_MB_194_3  -  [NPTH]  75.5 6 0 top
KiKit_MB_194_4  -  [NPTH]  74.5 6 0 top
KiKit_MB_195_1  -  [NPTH]  88.5 10 0 top
KiKit_MB_195_2  -  [NPTH]  89.5 10 0 top
KiKit_MB_195_3  -  [NPTH]  90.5 10 0 top
KiKit_MB_195_4  -  [NPTH]  91.5 10 0 top
KiKit_MB_196_1  -  [NPTH]  91.5 6 0 top
KiKit_MB_196_2  -  [NPTH]  90.5 6 0 top
KiKit_MB_196_3  -  [NPTH]  89.5 6 0 top
KiKit_MB_196_4  -  [NPTH]  88.5 6 0 top
R1  N/A  [R_0805_2012Metric]  20 62 0 top
R1#2  N/A  [R_0805_2012Metric]  20 14 0 top
R1#3  N/A  [R_0805_2012Metric]  48 68 0 top
R1#4  N/A  [R_0805_2012Metric]  62 74 0 top
R1#5  N/A  [R_0805_2012Metric]  20 68 0 top
R1#6  N/A  [R_0805_2012Metric]  76 86 0 top
R1#7  N/A  [R_0805_2012Metric]  20 80 0 top
R1#8  N/A  [R_0805_2012Metric]  90 26 0 top
R1#9  N/A  [R_0805_2012Metric]  48 56 0 top
R1#10  N/A  [R_0805_2012Metric]  6 44 0 top
R1#11  N/A  [R_0805_2012Metric]  76 44 0 top
R1#12  N/A  [R_0805_2012Metric]  34 74 0 top
R1#13  N/A  [R_0805_2012Metric]  34 62 0 top
R1#14  N/A  [R_0805_2012Metric]  6 32 0 top
R1#15  N/A  [R_0805_2012Metric]  90 50 0 top
R1#16  N/A  [R_0805_2012Metric]  76 8 0 top
R1#17  N/A  [R_0805_2012Metric]  62 80 0 top
R1#18  N/A  [R_0805_2012Metric]  20 38 0 top
R1#19  N/A  [R_0805_2012Metric]  76 56 0 top
R1#20  N/A  [R_0805_2012Metric]  48 86 0 top
R1#21  N/A  [R_0805_2012Metric]  62 14 0 top
R1#22  N/A  [R_0805_2012Metric]  62 32 0 top
R1#23  N/A  [R_0805_2012Metric]  90 80 0 top
R1#24  N/A  [R_0805_2012Metric]  20 8 0 top
R1#25  N/A  [R_0805_2012Metric]  48 50 0 top
R1#26  N/A  [R_0805_2012Metric]  6 14 0 top
R1#27  N/A  [R_0805_2012Metric]  48 20 0 top
R1#28  N/A  [R_0805_2012Metric]  48 38 0 top
R1#29  N/A  [R_0805_2012Metric]  20 26 0 top
R1#30  N/A  [R_0805_2012Metric]  6 74 0 top
R1#31  N/A  [R_0805_2012Metric]  90 74 0 top
R1#32  N/A  [R_0805_2012Metric]  76 14 0 top
R1#33  N/A  [R_0805_2012Metric]  48 44 0 top
R1#34  N/A  [R_0805_2012Metric]  48 26 0 top
R1#35  N/A  [R_0805_2012Metric]  48 74 0 top
R1#36  N/A  [R_0805_2012Metric]  48 80 0 top
R1#37  N/A  [R_0805_2012Metric]  6 68 0 top
R1#38  N/A  [R_0805_2012Metric]  76 32 0 top
R1#39  N/A  [R_0805_2012Metric]  20 86 0 top
R1#40  N/A  [R_0805_2012Metric]  6 86 0 top
R1#41  N/A  [R_0805_2012Metric]  6 80 0 top
R1#42  N/A  [R_0805_2012Metric]  48 14 0 top
R1#43  N/A  [R_0805_2012Metric]  6 56 0 top
R1#44  N/A  [R_0805_2012Metric]  6 62 0 top
R1#45  N/A  [R_0805_2012Metric]  6 50 0 top
R1#46  N/A  [R_0805_2012Metric]  90 56 0 top
R1#47  N/A  [R_0805_2012Metric]  90 86 0 top
R1#48  N/A  [R_0805_2012Metric]  34 32 0 top
R1#49  N/A  [R_0805_2012Metric]  62 68 0 top
R1#50  N/A  [R_0805_2012Metric]  62 20 0 top
R1#51  N/A  [R_0805_2012Metric]  62 62 0 top
R1#52  N/A  [R_0805_2012Metric]  62 38 0 top
R1#53  N/A  [R_0805_2012Metric]  62 86 0 top
R1#54  N/A  [R_0805_2012Metric]  34 26 0 top
R1#55  N/A  [R_0805_2012Metric]  90 14 0 top
R1#56  N/A  [R_0805_2012Metric]  90 44 0 top
R1#57  N/A  [R_0805_2012Metric]  90 38 0 top
R1#58  N/A  [R_0805_2012Metric]  76 74 0 top
R1#59  N/A  [R_0805_2012Metric]  90 68 0 top
R1#60  N/A  [R_0805_2012Metric]  34 68 0 top
R1#61  N/A  [R_0805_2012Metric]  34 20 0 top
R1#62  N/A  [R_0805_2012Metric]  62 44 0 top
R1#63  N/A  [R_0805_2012Metric]  6 26 0 top
R1#64  N/A  [R_0805_2012Metric]  34 44 0 top
R1#65  N/A  [R_0805_2012Metric]  6 38 0 top
R1#66  N/A  [R_0805_2012Metric]  48 62 0 top
R1#67  N/A  [R_0805_2012Metric]  34 56 0 top
R1#68  N/A  [R_0805_2012Metric]  20 50 0 top
R1#69  N/A  [R_0805_2012Metric]  34 50 0 top
R1#70  N/A  [R_0805_2012Metric]  90 62 0 top
R1#71  N/A  [R_0805_2012Metric]  6 8 0 top
R1#72  N/A  [R_0805_2012Metric]  62 56 0 top
R1#73  N/A  [R_0805_2012Metric]  76 50 0 top
R1#74  N/A  [R_0805_2012Metric]  34 14 0 top
R1#75  N/A  [R_0805_2012Metric]  90 8 0 top
R1#76  N/A  [R_0805_2012Metric]  62 26 0 top
R1#77  N/A  [R_0805_2012Metric]  76 62 0 top
R1#78  N/A  [R_0805_2012Metric]  48 32 0 top
R1#79  N/A  [R_0805_2012Metric]  90 20 0 top
R1#80  N/A  [R_0805_2012Metric]  20 20 0 top
R1#81  N/A  [R_0805_2012Metric]  76 80 0 top
R1#82  N/A  [R_0805_2012Metric]  48 8 0 top
R1#83  N/A  [R_0805_2012Metric]  76 26 0 top
R1#84  N/A  [R_0805_2012Metric]  34 86 0 top
R1#85  N/A  [R_0805_2012Metric]  76 20 0 top
R1#86  N/A  [R_0805_2012Metric]  6 20 0 top
